# Altium PCB 电解模块主控板_V1.1_ZM_20211015.PcbDoc (part 3 of 4) (continued)
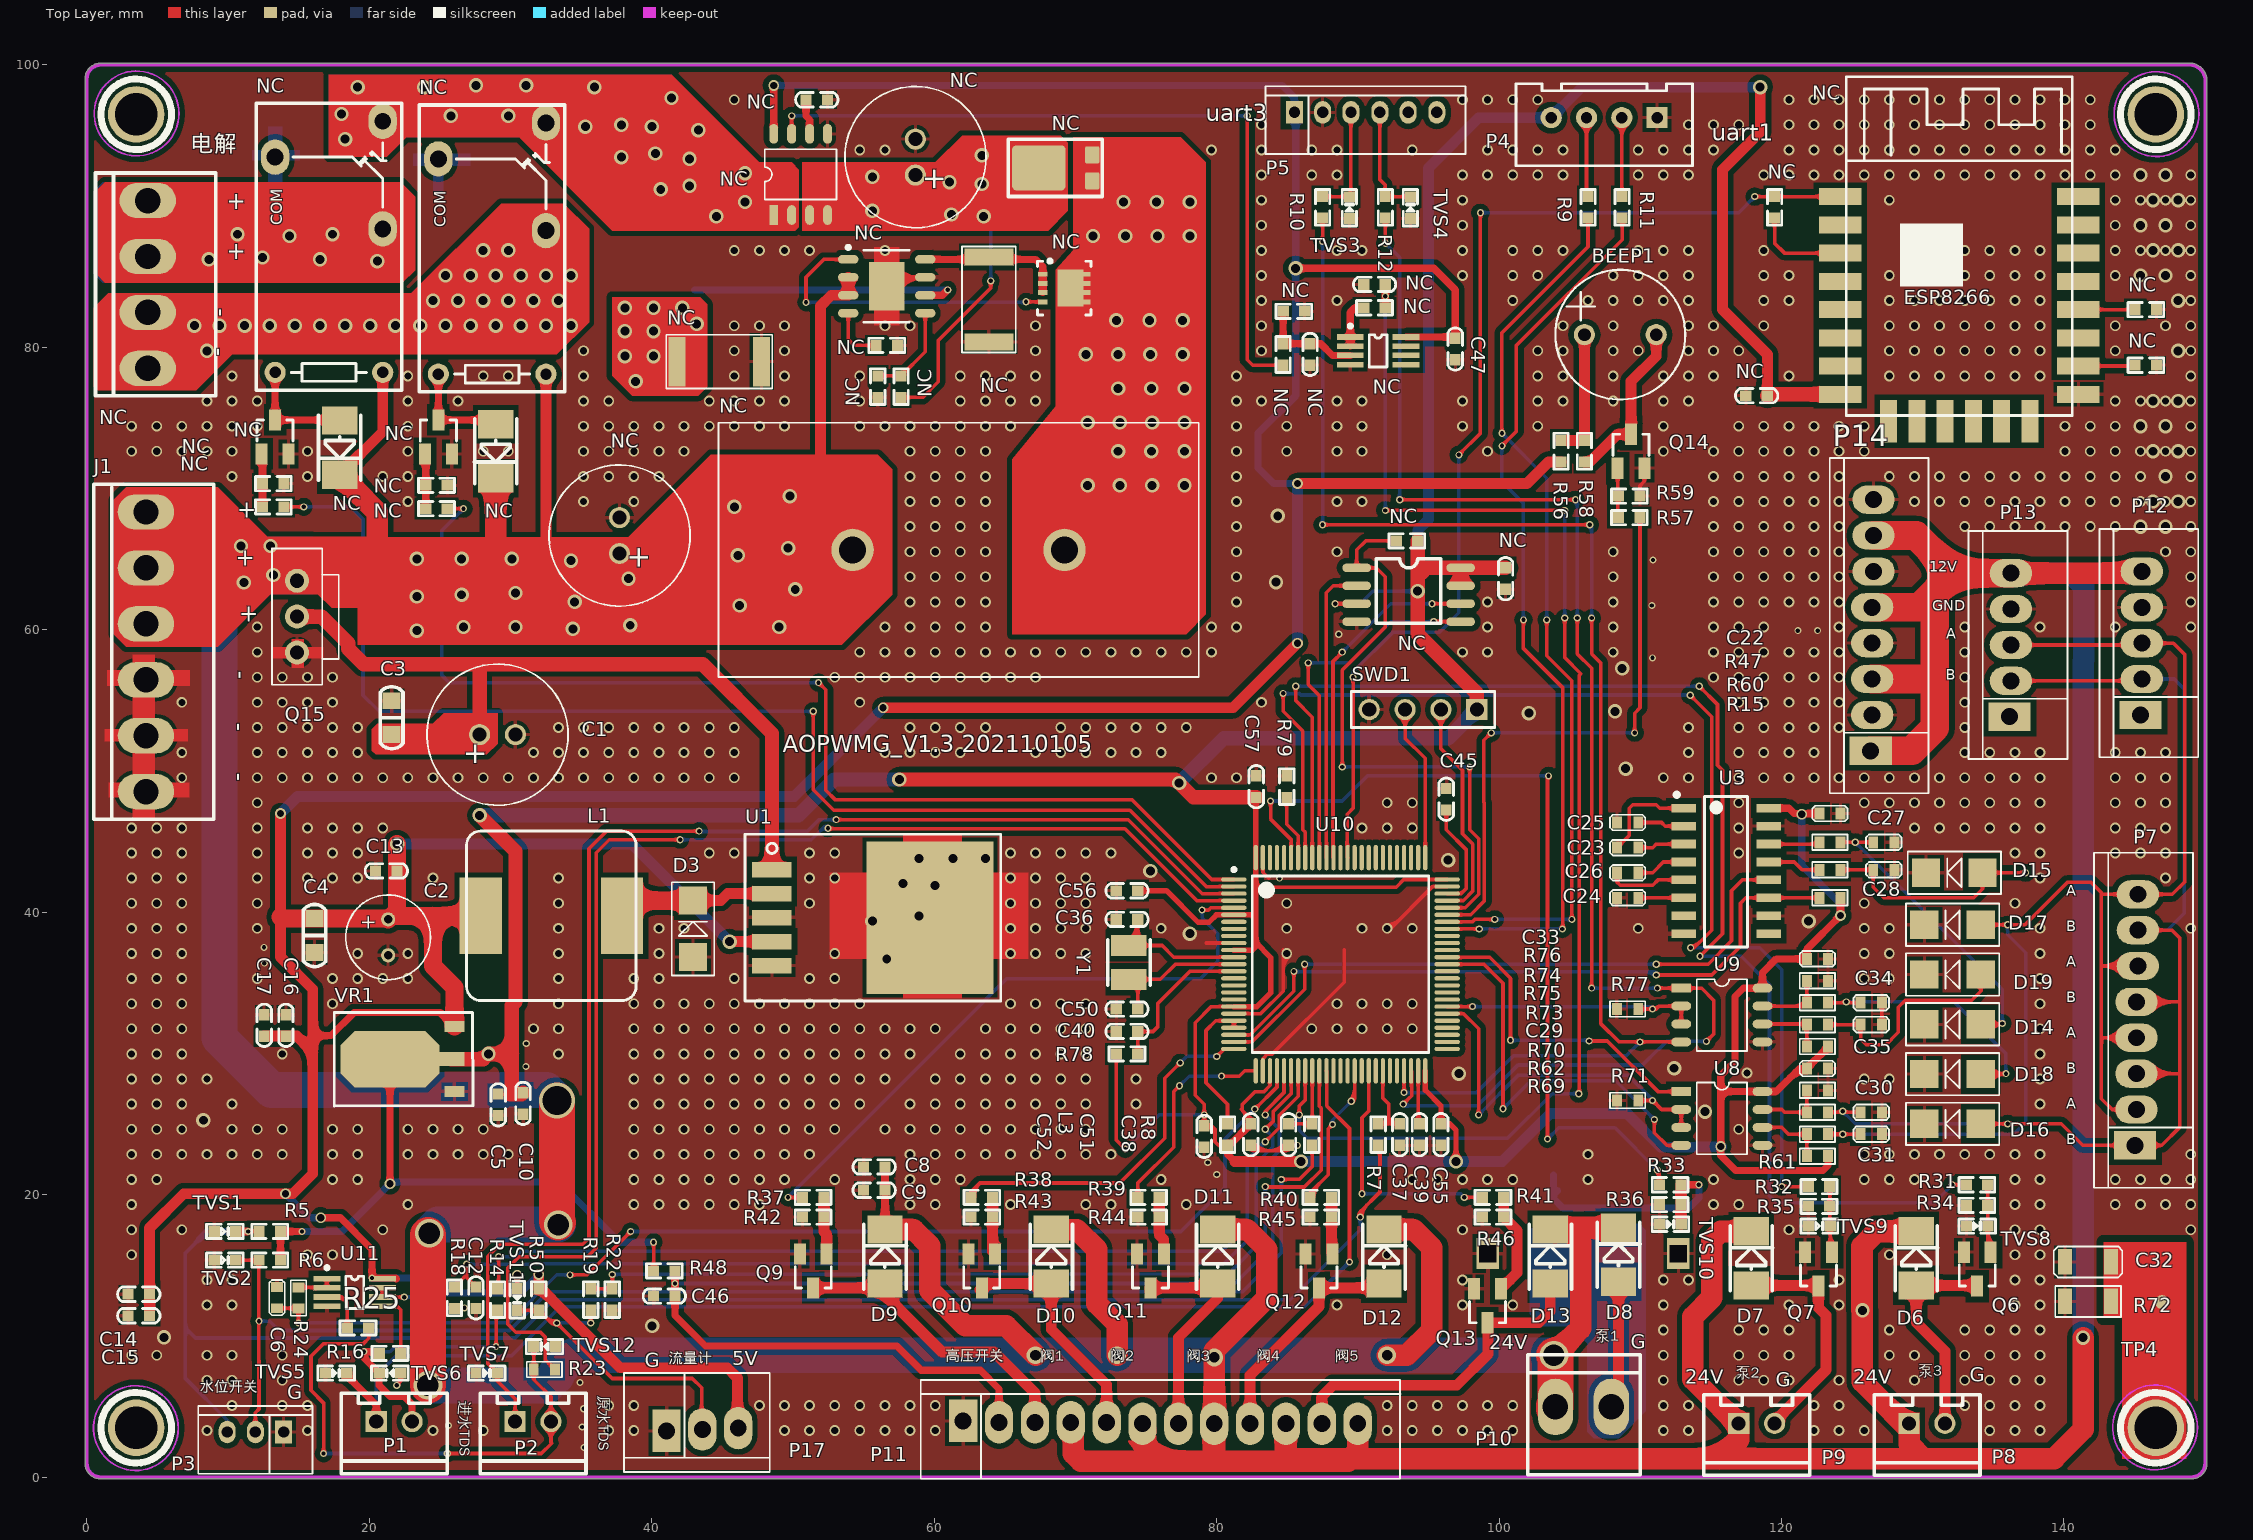
[diagram p0: Top Layer view]
## Nets (pads, with @x,y where several pads share a name; then routed paths per layer and width w, separated by ;. In a path a pad name is that pad's centre, name@x,y a point inside that pad or via, vN(x,y) a via of type N, cw(c..) or ccw(c..) an arc to the next point about the centre after c; other vN are vias at no path point) (continued)
NetR31_2: R31.2 U10.92 | length 101.9
  Top Layer w0.254: v3@85.508,55.917 cw(c85.291,55.7) 85.598,55.7 cw(c85.905,55.7) v3@85.688,55.917 ; v3(85.598,56.007) 85.598,54.991 86.773,53.816 U10.92@86.773,43.872 ; v3@114.173,55.88 cw(c114.173,55.573) 114.39,55.79 cw(c114.607,56.007) v3@114.3,56.007 ; v3(114.173,56.007) 115.468,54.712 115.468,50.419 115.824,50.063 115.824,38.481 v3(114.224,36.881) ; v3@114.224,37.008 ccw(c114.224,37.314) 114.441,37.098 ccw(c114.657,36.881) v3@114.351,36.881 ; v3(132.08,20.701) R31.2@133.071,20.701 ; v3@132.17,20.611 cw(c132.387,20.394) 132.387,20.701 cw(c132.387,21.008) v3@132.17,20.791 ; R31.2@132.872,20.521 ccw(c132.438,20.088) 132.438,20.701 ccw(c132.438,21.314) R31.2@132.872,20.881
  Bottom Layer w0.254: v3(85.598,56.007) v3(114.173,56.007) ; v3@85.688,55.917 cw(c85.905,55.7) 85.905,56.007 cw(c85.905,56.314) v3@85.688,56.097 ; v3@114.083,55.917 ccw(c113.866,55.7) 113.866,56.007 ccw(c113.866,56.314) v3@114.083,56.097 ; v3(114.224,36.881) 117.145,36.881 119.151,34.874 119.151,19.914 119.634,19.431 130.81,19.431 v3(132.08,20.701) ; v3@114.314,36.791 cw(c114.53,36.574) 114.53,36.881 cw(c114.53,37.187) v3@114.314,36.971 ; v3@131.953,20.701 cw(c131.646,20.701) 131.863,20.484 cw(c132.08,20.267) v3@132.08,20.574
NetR32_2: R32.2 U10.93 | length 89.7
  Top Layer w0.254: v3@84.619,55.409 cw(c84.402,55.192) 84.709,55.192 cw(c85.016,55.192) v3@84.799,55.409 ; v3(84.709,55.499) 84.709,54.229 86.106,52.832 86.106,45.847 86.273,45.68 U10.93@86.273,43.872 ; v3@113.538,55.245 cw(c113.538,54.938) 113.755,55.155 cw(c113.972,55.372) v3@113.665,55.372 ; v3(113.538,55.372) 115.062,53.848 115.062,38.735 113.817,37.49 v3(113.563,37.49) ; v3@113.563,37.617 ccw(c113.563,38.537) 114.214,37.887 ; v3(120.015,20.574) R32.2@121.895,20.574 ; v3@120.105,20.484 cw(c120.322,20.267) 120.322,20.574 cw(c120.322,20.881) v3@120.105,20.664 ; R32.2@121.696,20.394 ccw(c121.262,19.961) 121.262,20.574 ccw(c121.262,21.187) R32.2@121.696,20.754
  Bottom Layer w0.254: v3(84.709,55.499) 84.734,55.474 85.819,55.474 85.844,55.499 85.958,55.385 113.525,55.385 v3(113.538,55.372) ; v3@84.799,55.589 ccw(c85.077,55.867) 85.077,55.474 ; 113.199,55.385 cw(c113.199,55.033) v3@113.448,55.282 ; 113.264,55.385 ccw(c113.264,55.646) v3@113.448,55.462 ; v3(113.563,37.49) 118.466,37.49 120.015,35.941 v3(120.015,20.574) ; v3@113.653,37.401 cw(c113.87,37.184) 113.87,37.49 cw(c113.87,37.797) v3@113.653,37.58 ; v3@119.925,20.664 ccw(c119.708,20.881) 120.015,20.881 ccw(c120.322,20.881) v3@120.105,20.664
NetR33_2: R33.2 U10.95 | length 66.4
  Top Layer w0.254: v3@83.73,47.789 cw(c83.513,47.572) 83.82,47.572 cw(c84.127,47.572) v3@83.91,47.789 ; v3(83.82,47.879) 83.82,46.609 85.273,45.156 U10.95@85.273,43.872 ; v3@103.339,24.042 ccw(c103.122,24.259) 103.429,24.259 ccw(c103.735,24.259) v3@103.519,24.042 ; v3(103.429,23.952) 103.429,49.581 v3(103.505,49.657) ; 103.429,49.166 cw(c103.996,49.166) v3@103.595,49.567 ; v3@111.111,21.653 cw(c110.527,21.068) R33.2@111.354,21.068 ; R33.2@111.174,20.881 ccw(c110.74,21.314) 111.354,21.314 ccw(c111.967,21.314) R33.2@111.533,20.881 ; v3@111.185,21.616 cw(c111.16,21.424) 111.354,21.424 ; v3@111.201,21.615 111.354,21.463 R33.2@111.354,20.701
  Bottom Layer w0.254: v3(83.82,47.879) 88.9,47.879 90.678,49.657 v3(103.505,49.657) ; v3@83.91,47.789 cw(c84.127,47.572) 84.127,47.879 cw(c84.127,48.186) v3@83.91,47.969 ; v3@103.415,49.567 ccw(c103.198,49.35) 103.198,49.657 ccw(c103.198,49.964) v3@103.415,49.747 ; v3(103.429,23.952) 104.216,24.74 108.204,24.74 v3(111.201,21.742) ; v3@103.429,24.079 ccw(c103.429,24.386) 103.646,24.169 ccw(c103.862,23.952) v3@103.556,23.952 ; v3@111.074,21.742 ccw(c110.768,21.742) 110.984,21.959 ccw(c111.201,22.176) v3@111.201,21.869 ; v3@111.125,21.666 v3@111.201,21.59
NetR37_2: R37.2 U10.5 | length 47.7
  Top Layer w0.254: v3(49.657,19.812) R37.2@50.673,19.812 ; v3@49.747,19.722 cw(c49.964,19.505) 49.964,19.812 cw(c49.964,20.119) v3@49.747,19.902 ; R37.2@50.474,19.632 ccw(c50.041,19.199) 50.041,19.812 ccw(c50.041,20.425) R37.2@50.474,19.992 ; v3(78.969,40.157) 79.419,40.157 79.584,40.322 U10.5@81.223,40.322 ; v3@79.058,40.068 cw(c79.275,39.851) 79.275,40.157 cw(c79.275,40.464) v3@79.058,40.247
  Bottom Layer w0.254: v3(49.657,19.812) 65.151,35.306 78.867,35.306 80.086,36.525 80.086,38.481 78.969,39.599 v3(78.969,40.157) ; v3@49.657,19.939 ccw(c49.657,20.246) 49.874,20.029 ccw(c50.091,19.812) v3@49.784,19.812 ; v3@78.879,40.068 cw(c78.662,39.851) 78.969,39.851 cw(c79.275,39.851) v3@79.058,40.068
NetR38_2: R38.2 U10.25 | length 29.6
  Top Layer w0.254: R38.2@62.611,19.812 62.611,20.193 63.246,20.828 ; R38.2@62.63,19.812 cw(c63.422,19.88) 62.86,20.442 ; R38.2@62.883,19.834 cw(c64.133,19.941) 63.246,20.828 ; v3@77.292,29.337 cw(c76.986,29.337) 77.202,29.12 cw(c77.419,28.903) v3@77.419,29.21 ; v3(77.419,29.337) 76.327,28.245 76.327,24.003 73.152,20.828 63.246,20.828 ; v3(80.01,29.794) 80.538,30.322 U10.25@81.223,30.322 ; v3@80.01,29.921 ccw(c80.01,30.228) 80.227,30.011 ccw(c80.444,29.794) v3@80.137,29.794 ; 80.388,30.172 ccw(c80.238,30.322) U10.25@80.45,30.322
  Bottom Layer w0.254: v3(77.419,29.337) 77.876,29.794 v3(80.01,29.794) ; v3@77.419,29.464 ccw(c77.419,29.771) 77.636,29.554 ccw(c77.853,29.337) v3@77.546,29.337 ; v3@79.92,29.704 ccw(c79.703,29.488) 79.703,29.794 ccw(c79.703,30.101) v3@79.92,29.884
NetR39_2: R39.2 U10.26 | length 17.9
  Top Layer w0.254: R39.2@74.242,19.992 ccw(c73.809,20.425) 74.422,20.425 ccw(c75.035,20.425) R39.2@74.602,19.992 ; R39.2@74.422,19.812 74.422,20.828 76.962,23.368 76.962,27.305 v3(77.368,27.711) ; v3@77.241,27.711 cw(c76.935,27.711) 77.152,27.495 cw(c77.368,27.278) v3@77.368,27.584 ; v3(80.34,28.397) 81.61,28.397 81.985,28.772 U10.26@82.773,28.772 ; v3@80.43,28.307 cw(c80.647,28.091) 80.647,28.397 cw(c80.647,28.704) v3@80.43,28.487
  Bottom Layer w0.254: v3(77.368,27.711) 78.054,28.397 v3(80.34,28.397) ; v3@77.368,27.838 ccw(c77.368,28.145) 77.585,27.928 ccw(c77.802,27.711) v3@77.495,27.711 ; v3@80.25,28.307 ccw(c80.034,28.091) 80.034,28.397 ccw(c80.034,28.704) v3@80.25,28.487
NetR40_2: R40.2 U10.40 | length 14.7
  Top Layer w0.254: R40.2@86.614,19.812 86.614,20.117 87.909,21.412 87.909,24.679 v3(88.199,24.968) ; R40.2@86.633,19.812 cw(c87.415,19.812) 86.862,20.365 ; R40.2@86.887,19.812 cw(c88.282,19.812) 87.296,20.798 ; v3@88.072,24.968 cw(c87.765,24.968) 87.982,24.751 cw(c88.199,24.535) v3@88.199,24.841 ; v3@89.445,26.709 ccw(c88.654,27.5) 89.773,27.5 ; v3(89.535,26.619) 89.773,26.857 U10.40@89.773,28.772 ; v3@89.625,26.529 ccw(c89.267,26.887) 89.773,26.887
  Bottom Layer w0.254: v3@88.109,25.058 ccw(c87.892,25.275) 88.199,25.275 ccw(c88.506,25.275) v3@88.289,25.058 ; v3(88.199,24.968) 88.199,25.283 v3(89.535,26.619) ; v3@89.408,26.619 cw(c89.101,26.619) 89.318,26.402 cw(c89.535,26.186) v3@89.535,26.492
NetR41_2: R41.2 U10.42 | length 19.9
  Top Layer w0.254: v3@90.207,20.156 ccw(c89.99,20.373) 90.297,20.373 ccw(c90.604,20.373) v3@90.387,20.156 ; v3(90.297,20.066) 90.297,25.451 90.773,25.927 U10.42@90.773,28.772 ; v3(97.536,19.812) R41.2@98.806,19.812 ; v3@97.626,19.722 cw(c97.843,19.505) 97.843,19.812 cw(c97.843,20.119) v3@97.626,19.902 ; R41.2@98.607,19.632 ccw(c98.174,19.199) 98.174,19.812 ccw(c98.174,20.425) R41.2@98.607,19.992
  Bottom Layer w0.254: v3(90.297,20.066) 97.282,20.066 v3(97.536,19.812) ; v3@90.387,19.976 cw(c90.604,19.759) 90.604,20.066 cw(c90.604,20.373) v3@90.387,20.156
NetR47_1: R47.1 U3.14 | length 5.2
  Top Layer w0.254: U3.14@119.091,44.831 122.555,44.831 R47.1@122.682,44.958 ; U3.14@119.775,44.705 cw(c120.079,44.402) 120.079,44.831 cw(c120.079,45.26) U3.14@119.775,44.957 ; 122.018,44.831 ccw(c122.018,45.547) R47.1@122.524,45.041 ; 122.269,44.831 cw(c122.269,44.47) R47.1@122.524,44.725
NetR57_1: R57.1 U10.70 | length 43.6
  Top Layer w0.254: U10.70@96.323,39.822 97.988,39.822 98.958,40.792 98.958,47.752 98.908,47.803 98.908,52.172 v3(99.441,52.705) ; v3@99.314,52.705 cw(c99.007,52.705) 99.224,52.488 cw(c99.441,52.271) v3@99.441,52.578 ; v3@109.511,52.795 ccw(c109.294,53.012) 109.601,53.012 ccw(c109.908,53.012) v3@109.691,52.795 ; v3(109.601,52.705) 109.601,54.102 109.982,54.483 R57.1@109.982,67.945 ; R57.1@109.802,67.765 cw(c109.369,67.332) 109.982,67.332 cw(c110.595,67.332) R57.1@110.162,67.765
  Bottom Layer w0.254: v3(99.441,52.705) v3(109.601,52.705) ; v3@99.531,52.615 cw(c99.748,52.398) 99.748,52.705 cw(c99.748,53.012) v3@99.531,52.795 ; v3@109.511,52.615 ccw(c109.294,52.398) 109.294,52.705 ccw(c109.294,53.012) v3@109.511,52.795
NetR60_1: R60.1 U3.13 | length 5.3
  Top Layer w0.254: U3.13@119.091,43.561 120.904,43.561 121.454,43.011 R60.1@122.682,43.011 ; U3.13@119.775,43.435 cw(c120.079,43.132) 120.079,43.561 cw(c120.079,43.99) U3.13@119.775,43.687 ; R60.1@122.524,42.853 ccw(c122.144,42.472) 122.144,43.011 ccw(c122.144,43.549) R60.1@122.524,43.168
NetR61_1: R61.1 R69.1 U8.6 | length 8.2
  Top Layer w0.254: U8.6@118.653,24.765 120.015,24.765 120.495,24.285 R69.1@121.793,24.285 R61.1@121.793,22.733 ; U8.6@119.169,24.63 cw(c119.494,24.305) 119.494,24.765 cw(c119.494,25.225) U8.6@119.169,24.9 ; R61.1@121.635,22.966 ccw(c121.255,23.346) 121.793,23.346 ccw(c122.331,23.346) R61.1@121.951,22.966 ; R69.1@121.635,24.053 cw(c121.255,23.672) 121.793,23.672 cw(c122.331,23.672) R69.1@121.951,24.053 ; R69.1@121.635,24.128 ccw(c121.255,23.747) 121.255,24.285 ccw(c121.255,24.824) R69.1@121.635,24.443
NetR62_1: R62.1 R70.1 U8.7 | length 8
  Top Layer w0.254: U8.7@118.653,26.035 120.015,26.035 120.213,25.837 R62.1@121.793,25.837 R70.1@121.793,27.39 ; U8.7@119.169,25.9 cw(c119.494,25.575) 119.494,26.035 cw(c119.494,26.495) U8.7@119.169,26.17 ; R62.1@121.635,25.68 ccw(c121.255,25.299) 121.255,25.837 ccw(c121.255,26.376) R62.1@121.635,25.995 ; R62.1@121.635,26.07 ccw(c121.255,26.451) 121.793,26.451 ccw(c122.331,26.451) R62.1@121.951,26.07 ; R70.1@121.635,27.157 cw(c121.255,26.776) 121.793,26.776 cw(c122.331,26.776) R70.1@121.951,27.157
NetR73_1: R73.1 R75.1 U9.6 | length 8
  Top Layer w0.254: U9.6@118.653,32.089 121.75,32.089 R75.1@121.793,32.046 R73.1@121.793,30.494 ; U9.6@119.169,31.954 cw(c119.494,31.629) 119.494,32.089 cw(c119.494,32.549) U9.6@119.169,32.224 ; 121.176,32.089 ccw(c121.176,32.738) R75.1@121.635,32.279 ; 121.333,32.089 cw(c121.333,31.661) R75.1@121.635,31.964 ; R73.1@121.635,30.727 ccw(c121.255,31.107) 121.793,31.107 ccw(c122.331,31.107) R73.1@121.951,30.727 ; R75.1@121.635,31.814 cw(c121.255,31.433) 121.793,31.433 cw(c122.331,31.433) R75.1@121.951,31.814
NetR74_1: R74.1 R76.1 U9.7 | length 8.5
  Top Layer w0.254: U9.7@118.653,33.359 121.553,33.359 R74.1@121.793,33.599 R76.1@121.793,35.151 ; U9.7@119.169,33.224 cw(c119.494,32.899) 119.494,33.359 cw(c119.494,33.819) U9.7@119.169,33.494 ; 120.857,33.359 ccw(c120.857,34.459) R74.1@121.635,33.681 ; R74.1@121.47,33.359 ccw(c121.47,33.846) R74.1@121.815,33.502 ; R74.1@121.635,33.831 ccw(c121.255,34.212) 121.793,34.212 ccw(c122.331,34.212) R74.1@121.951,33.831 ; R76.1@121.635,34.918 cw(c121.255,34.537) 121.793,34.537 cw(c122.331,34.537) R76.1@121.951,34.918
NetR79_2: R79.2 U10.94 | length 5.6
  Top Layer w0.254: R79.2@84.783,47.934 cw(c84.35,47.501) 84.963,47.501 cw(c85.576,47.501) R79.2@85.143,47.934 ; R79.2@84.963,48.133 84.963,46.228 85.773,45.418 U10.94@85.773,43.872
NetU10_38: U10.38
NetU10_39: U10.39
NetU10_41: U10.41
NetU10_43: U10.43
NetU10_45: U10.45
NetU10_46: U10.46
NetU10_51: U10.51
NetU10_52: U10.52
NetU10_53: U10.53
NetU10_54: U10.54
NetU10_58: U10.58
NetU10_59: U10.59
NetU10_61: U10.61
NetU10_62: U10.62
NetU10_65: U10.65
NetU10_66: U10.66
NetU10_78: U10.78
NetU10_79: U10.79
NetU10_80: U10.80
NetU10_81: U10.81
NetU10_82: U10.82
NetU10_83: U10.83
NetU10_85: U10.85
NetU10_86: U10.86
NetU10_88: U10.88
RCS: NC.1@41.783,78.994 NC.3@13.335,93.472 NC.3@24.892,93.345 NC.6@59.367,83.693 | length 19.7
  Top Layer w0.508: NC.6@59.367,83.693 60.579,83.693 v3(60.96,84.074)
  Bottom Layer w0.508: 43.053,84.074 v3(60.96,84.074)
  other v2: 38.862,77.597 38.1,79.375 40.132,79.375 38.1,81.153 40.132,81.153 43.18,81.661 38.1,82.804 40.132,82.804 42.164,82.804
RXD1_485: U8.1 U10.64 | length 25.7
  Top Layer w0.254: U10.64@96.323,36.822 96.34,36.805 99.339,36.805 100.838,35.306 100.813,35.281 v3(100.813,30.937) ; v3@100.723,31.027 ccw(c100.506,31.244) 100.813,31.244 ccw(c101.119,31.244) v3@100.902,31.027 ; v3(106.375,30.886) 107.671,30.886 111.252,27.305 U8.1@112.903,27.305 ; v3@106.465,30.797 cw(c106.682,30.58) 106.682,30.886 cw(c106.682,31.193) v3@106.465,30.976 ; U8.1@112.387,27.17 ccw(c112.062,26.845) 112.062,27.305 ccw(c112.062,27.765) U8.1@112.387,27.44
  Bottom Layer w0.254: v3(100.813,30.937) 106.324,30.937 v3(106.375,30.886) ; v3@100.902,30.847 cw(c101.119,30.631) 101.119,30.937 cw(c101.119,31.244) v3@100.902,31.027 ; 105.946,30.937 cw(c105.946,30.457) v3@106.285,30.797
RXD2_485: R12.2 U9.1 U10.48 | length 116.3
  Top Layer w0.254: R12.2@91.768,88.955 cw(c91.335,88.522) 91.948,88.522 cw(c92.561,88.522) R12.2@92.128,88.955 ; v3@91.858,87.466 ccw(c91.641,87.683) 91.948,87.683 ccw(c92.255,87.683) v3@92.038,87.466 ; v3(91.948,87.376) R12.2@91.948,89.154 ; v3(92.964,69.215) v3(105.41,69.215) ; v3@93.054,69.125 cw(c93.271,68.908) 93.271,69.215 cw(c93.271,69.522) v3@93.054,69.305 ; v3(93.218,26.416) 93.662,26.86 93.662,26.868 93.806,27.012 93.806,28.739 U10.48@93.773,28.772 ; v3@93.218,26.543 ccw(c93.218,26.85) 93.435,26.633 ccw(c93.652,26.416) v3@93.345,26.416 ; v3@105.32,69.125 ccw(c105.103,68.908) 105.103,69.215 ccw(c105.103,69.522) v3@105.32,69.305 ; v3@105.447,60.743 cw(c105.23,60.526) 105.537,60.526 cw(c105.844,60.526) v3@105.627,60.743 ; v3(105.537,60.833) 105.537,58.293 106.553,57.277 v3(106.553,34.629) ; v3@106.463,34.719 ccw(c106.246,34.936) 106.553,34.936 ccw(c106.86,34.936) v3@106.643,34.719 ; v3(111.21,34.629) U9.1@112.903,34.629 114.342,34.629 115.189,33.782 115.189,31.369 v3(114.681,30.861) ; v3@111.3,34.539 cw(c111.517,34.322) 111.517,34.629 cw(c111.517,34.936) v3@111.3,34.719 ; U9.1@112.387,34.494 ccw(c112.062,34.169) 112.062,34.629 ccw(c112.062,35.089) U9.1@112.387,34.764 ; U9.1@113.419,34.494 cw(c113.744,34.169) 113.744,34.629 cw(c113.744,35.089) U9.1@113.419,34.764 ; v3@114.681,30.988 ccw(c114.681,31.295) 114.898,31.078 ccw(c115.115,30.861) v3@114.808,30.861
  Bottom Layer w0.254: v3@91.948,87.249 cw(c91.948,86.942) 92.165,87.159 cw(c92.382,87.376) v3@92.075,87.376 ; v3(91.948,87.376) 92.964,86.36 v3(92.964,69.215) ; v3@92.874,69.305 ccw(c92.657,69.522) 92.964,69.522 ccw(c93.271,69.522) v3@93.054,69.305 ; v3(93.218,26.416) 93.345,26.289 98.45,26.289 101.346,29.185 110.16,29.185 111.303,30.328 ; v3@93.308,26.506 ccw(c93.831,27.029) 93.831,26.289 ; v3@105.32,69.125 cw(c104.797,68.602) 105.537,68.602 ; v3(105.41,69.215) 105.537,69.088 v3(105.537,60.833) ; v3@105.447,60.923 ccw(c105.23,61.14) 105.537,61.14 ccw(c105.844,61.14) v3@105.627,60.923 ; v3(106.553,34.629) v3(111.21,34.629) ; v3@106.643,34.539 cw(c106.86,34.322) 106.86,34.629 cw(c106.86,34.936) v3@106.643,34.719 ; v3@111.12,34.539 ccw(c110.903,34.322) 110.903,34.629 ccw(c110.903,34.936) v3@111.12,34.719 ; 111.328,30.302 111.887,30.861 v3(114.681,30.861) ; v3@114.591,30.771 ccw(c114.374,30.554) 114.374,30.861 ccw(c114.374,31.168) v3@114.591,30.951
RXD_233: U3.12 U10.24 | length 48.5
  Top Layer w0.254: U10.24@81.223,30.822 82.511,30.822 86.233,34.544 v3(86.233,36.322) ; v3@86.143,36.232 cw(c85.926,36.015) 86.233,36.015 cw(c86.54,36.015) v3@86.323,36.232 ; v3(111.125,36.322) 114.808,36.322 116.459,37.973 116.459,41.529 117.221,42.291 U3.12@119.091,42.291 ; v3@111.215,36.232 cw(c111.432,36.015) 111.432,36.322 cw(c111.432,36.629) v3@111.215,36.412 ; U3.12@118.406,42.165 ccw(c118.103,41.862) 118.103,42.291 ccw(c118.103,42.72) U3.12@118.406,42.417
  Bottom Layer w0.254: v3(86.233,36.322) v3(111.125,36.322) v3@111.252,36.322 ; v3@86.323,36.232 cw(c86.54,36.015) 86.54,36.322 cw(c86.54,36.629) v3@86.323,36.412 ; v3@111.035,36.232 ccw(c110.818,36.015) 110.818,36.322 ccw(c110.818,36.629) v3@111.035,36.412
SWCLK: SWD1.3 U10.76 | length 11.1
  Top Layer w0.254: SWD1.3@93.345,54.356 93.345,52.324 94.773,50.896 U10.76@94.773,43.872
SWDIO: SWD1.2 U10.72 | length 15.9
  Top Layer w0.254: SWD1.2@95.885,54.356 95.885,51.57 97.409,50.046 97.409,45.568 98.146,44.831 98.146,41.504 97.464,40.822 U10.72@96.323,40.822
TXD1_485: U8.4 U10.63 | length 32
  Top Layer w0.254: U10.63@96.323,36.322 98.933,36.322 100.279,34.976 v3(100.279,26.086) ; v3@100.189,26.176 ccw(c99.973,26.392) 100.279,26.392 ccw(c100.586,26.392) v3@100.369,26.176 ; v3@110.908,25.234 cw(c110.691,25.017) 110.998,25.017 cw(c111.305,25.017) v3@111.088,25.234 ; v3@110.998,25.349 v3(110.998,25.324) 110.998,24.384 111.887,23.495 U8.4@112.903,23.495 ; U8.4@112.387,23.36 ccw(c112.062,23.035) 112.062,23.495 ccw(c112.062,23.955) U8.4@112.387,23.63
  Bottom Layer w0.254: v3(100.279,26.086) 102.26,28.067 108.255,28.067 v3(110.998,25.324) v3@111.049,25.273 ; v3@100.279,26.213 ccw(c100.279,26.519) 100.496,26.303 ccw(c100.713,26.086) v3@100.406,26.086 ; v3@110.871,25.324 ccw(c110.564,25.324) 110.781,25.541 ccw(c110.998,25.757) v3@110.998,25.451
TXD2_485: R10.2 U9.4 U10.47 | length 110.3
  Top Layer w0.254: R10.2@87.323,88.955 cw(c86.89,88.522) 87.503,88.522 cw(c88.116,88.522) R10.2@87.683,88.955 ; v3@87.413,87.593 ccw(c87.196,87.81) 87.503,87.81 ccw(c87.81,87.81) v3@87.593,87.593 ; v3(87.503,67.437) v3(106.426,67.437) ; v3(87.503,87.503) R10.2@87.503,89.154 ; v3@87.593,67.347 cw(c87.81,67.13) 87.81,67.437 cw(c87.81,67.744) v3@87.593,67.527 ; v3@93.183,27.323 ccw(c92.966,27.54) 93.273,27.54 ccw(c93.58,27.54) v3@93.363,27.323 ; v3(93.273,27.233) U10.47@93.273,28.772 ; v3@106.336,67.347 ccw(c106.119,67.13) 106.119,67.437 ccw(c106.119,67.744) v3@106.336,67.527 ; v3@106.463,60.743 cw(c106.246,60.526) 106.553,60.526 cw(c106.86,60.526) v3@106.643,60.743 ; v3(106.553,60.833) 106.553,58.293 107.188,57.658 107.188,32.131 108.5,30.819 v3(109.982,30.819) U9.4@112.903,30.819 ; v3@109.892,30.729 ccw(c109.675,30.512) 109.675,30.819 ccw(c109.675,31.126) v3@109.892,30.909 ; v3@110.072,30.729 cw(c110.289,30.512) 110.289,30.819 cw(c110.289,31.126) v3@110.072,30.909 ; U9.4@112.387,30.684 ccw(c112.062,30.359) 112.062,30.819 ccw(c112.062,31.279) U9.4@112.387,30.954
  Bottom Layer w0.254: v3@87.413,67.527 ccw(c87.196,67.744) 87.503,67.744 ccw(c87.81,67.744) v3@87.593,67.527 ; v3@87.413,87.413 cw(c87.196,87.196) 87.503,87.196 cw(c87.81,87.196) v3@87.593,87.413 ; v3(87.503,67.437) v3(87.503,87.503) ; v3(93.273,27.233) 98.404,27.233 101.016,29.845 109.017,29.845 v3@110.007,30.836 ; v3@93.363,27.143 cw(c93.58,26.926) 93.58,27.233 cw(c93.58,27.54) v3@93.363,27.323 ; v3@106.336,67.347 cw(c105.813,66.824) 106.553,66.824 ; v3(106.426,67.437) 106.553,67.31 v3(106.553,60.833) ; v3@106.463,60.923 ccw(c106.246,61.14) 106.553,61.14 ccw(c106.86,61.14) v3@106.643,60.923 ; 109.759,30.587 ccw(c109.527,30.819) v3@109.855,30.819 ; 109.78,30.608 cw(c109.982,30.406) v3@109.982,30.692
TXD_232: R15.2 U3.11 U10.23 | length 53
  Top Layer w0.254: U10.23@81.223,31.322 82.376,31.322 85.471,34.417 v3(85.471,35.814) ; v3@85.381,35.724 cw(c85.164,35.507) 85.471,35.507 cw(c85.778,35.507) v3@85.561,35.724 ; v3(111.125,35.56) 115.062,35.56 117.094,37.592 117.094,40.64 117.475,41.021 U3.11@119.091,41.021 R15.2@122.682,41.021 ; v3@111.215,35.47 cw(c111.432,35.253) 111.432,35.56 cw(c111.432,35.867) v3@111.215,35.65 ; U3.11@118.406,40.895 ccw(c118.103,40.592) 118.103,41.021 ccw(c118.103,41.45) U3.11@118.406,41.147 ; U3.11@119.775,40.895 cw(c120.079,40.592) 120.079,41.021 cw(c120.079,41.45) U3.11@119.775,41.147 ; R15.2@122.524,40.863 ccw(c122.144,40.483) 122.144,41.021 ccw(c122.144,41.559) R15.2@122.524,41.179
  Bottom Layer w0.254: v3(85.471,35.814) 85.496,35.789 110.896,35.789 v3(111.125,35.56) ; v3@85.561,35.904 ccw(c85.839,36.182) 85.839,35.789 ; 110.267,35.789 cw(c110.267,34.702) v3@111.035,35.47 ; 110.88,35.789 cw(c110.88,35.315) v3@111.215,35.65
V5.0: C2.1 C4.2 C13.2 C14.2 C15.2 C16.2 C17.2 C47.2 L1.2 NC.8@48.641,95.123 NC.8@93.415,80.731 P5.1 P17.3 R50.1 R56.2 U1.4 U11.8 VR1.3 | length 372.6
  Top Layer w0.508: 16.002,31.267 17.297,31.267 18.923,32.893 25.047,32.893 VR1.3@26.035,31.905 ; v1(16.561,18.364) 17.958,18.364 20.193,16.129 v3(20.193,14.097) 21.873,14.097 21.914,14.056 ; 25.274,32.666 cw(c24.512,31.905) VR1.3@25.589,31.905 ; NC.8@48.641,95.123 v1(48.641,98.552) ; v2(85.598,85.598) 95.377,85.598 96.901,84.074 C47.2@96.901,80.645 96.815,80.731 NC.8@93.415,80.731 ; v2@85.778,85.418 cw(c86.211,84.985) 86.211,85.598 cw(c86.211,86.211) v2@85.778,85.778 ; 96.433,80.731 cw(c96.433,80.196) C47.2@96.811,80.574
  Top Layer w0.762: C15.2@4.445,11.43 C14.2@4.445,12.954 4.445,17.653 6.858,20.066 v1(14.072,20.066) 14.58,20.066 16.002,21.488 16.002,30.099 ; C17.2@12.56,31.242 14.859,31.242 16.002,30.099 ; v1(13.716,46.99) 13.716,39.675 13.716,36.83 16.002,34.544 16.002,31.267 16.002,30.099 ; v1(32.004,14.351) R50.1@32.004,13.335 32.16,13.335 37.748,7.747 45.343,7.747 46.076,7.015 P17.3@46.076,3.991 ; v2(45.515,37.924) U1.4@48.514,37.924 ; v1(56.388,54.483) 81.153,54.483 v1(85.725,59.055) ; v1(85.725,70.358) 101.981,70.358 103.505,71.882 R56.2@104.394,71.882
  Top Layer w1.27: 13.716,39.675 13.837,39.554 C4.2@16.129,39.554 21.279,39.554 C2.1@21.336,39.497 C2.1@21.59,39.751 ; v2(21.971,44.831) C13.2@21.971,42.926 21.971,40.132 C2.1@21.59,39.751 ; VR1.3@26.035,31.905 26.035,34.671 24.511,36.195 24.511,39.751 ; L1.2@27.281,39.139 ccw(c25.805,37.663) 25.805,39.751 ccw(c25.805,41.839) L1.2@27.281,40.363 ; L1.2@27.893,39.751 24.511,39.751 ; C2.1@21.59,39.751 24.511,39.751
  Bottom Layer w0.508: v1(14.072,20.066) 15.773,18.364 v1(16.561,18.364) ; v3(20.193,14.097) 23.901,14.097 24.968,13.03 30.683,13.03 v1(32.004,14.351) ; v2(45.515,37.924) v2@45.564,37.973 ; v1(48.641,98.552) 84.642,98.552 85.511,97.683 P5.1@85.511,96.641 85.598,96.553 v2(85.598,85.598) 85.598,76.581 82.931,73.914 82.931,71.476 84.049,70.358 v1(85.725,70.358) ; 85.191,98.003 cw(c84.029,96.841) P5.1@85.673,96.841 ; P5.1@85.266,96.196 cw(c84.464,95.394) 85.598,95.394 ; P5.1@85.266,97.085 ccw(c84.675,97.676) 85.511,97.676 ccw(c86.346,97.676) P5.1@85.755,97.085 ; v2@85.418,85.418 cw(c84.985,84.985) 85.598,84.985 cw(c86.211,84.985) v2@85.778,85.418 ; v2@85.418,85.778 ccw(c84.985,86.211) 85.598,86.211 ccw(c86.211,86.211) v2@85.778,85.778 ; 85.598,95.816 cw(c86.135,95.816) P5.1@85.755,96.196
  Bottom Layer w0.762: v1(13.716,46.99) 14.922,48.197 50.102,48.197 v1(56.388,54.483) ; v2(21.971,44.831) 38.608,44.831 v2(45.515,37.924) ; v1(85.725,59.055) v1(85.725,70.358)
VDD12V: C8.2 C9.2 D6.2 D7.2 D8.2 D9.2 D10.2 D11.2 D12.2 D13.2 J1.4 J1.5 J1.6 NC.1@37.719,65.405 NC.1@54.229,65.659 NC.2@17.907,70.983 NC.2@28.956,70.729 NC.2@53.917,84.963 NC.3@53.917,83.693 NC.5@20.955,78.232 NC.5@32.512,78.105 P8.1 P9.1 P10.1 P11.4 P11.6 P11.8 P11.10 P11.12 P12.5 P13.5 P14.1 P14.3 P14.5 P14.7 Q15.3 | length 551.6
  Top Layer w0.508: D9.2@56.515,17.536 C9.2@56.515,20.32 C8.2@56.515,21.971
  Top Layer w0.762: NC.2@17.907,70.983 20.955,74.031 NC.5@20.955,78.232 ; NC.5@20.694,77.971 cw(c20.064,77.341) 20.955,77.341 cw(c21.846,77.341) NC.5@21.216,77.971 ; NC.5@32.251,77.844 cw(c31.621,77.214) 32.512,77.214 cw(c33.403,77.214) NC.5@32.773,77.844 ; 32.512,66.167 NC.5@32.512,78.105 ; 52.197,71.628 51.943,71.882 51.943,82.931 52.705,83.693 NC.3@53.917,83.693 NC.2@53.917,84.963
  Top Layer w1.524: NC.2@17.907,70.983 20.574,68.316 20.574,66.04 ; NC.2@18.395,70.983 ccw(c19.573,70.983) NC.2@18.74,70.15 ; 28.956,66.167 NC.2@28.956,70.729 ; v4(33.376,17.882) v4@33.376,18.034 ; D9.2@56.515,17.536 58.537,17.536 59.69,16.383 59.69,13.233 62.192,10.731 65.087,10.731 v5(67.183,8.636) ; D10.2@68.294,17.536 70.094,17.536 71.501,16.129 71.501,12.294 72.949,10.846 v5(72.949,8.636) ; P11.4@69.504,3.22 cw(c68.668,2.384) 69.85,2.384 ; P11.4@69.672,3.888 69.85,3.71 69.85,1.676 70.383,1.143 75.971,1.143 ; P11.6@74.752,3.788 74.752,2.362 75.971,1.143 ; P11.6@74.987,3.248 ccw(c76.833,2.931) 75.509,1.606 ; v5@79.832,8.966 P11.8@79.832,3.788 79.832,1.219 79.908,1.143 ; v5(79.833,8.484) 79.833,8.967 83.566,12.7 83.566,16.129 82.159,17.536 D11.2@80.073,17.536 ; P11.10@84.912,3.788 84.912,1.295 89.459,1.295 ; P11.12@89.992,3.788 89.992,1.829 89.459,1.295 ; D12.2@91.853,17.536 93.97,17.536 95.25,16.256 95.25,10.414 93.472,8.636 v5(92.075,8.636) ; v4(103.886,8.636) 105.796,10.546 105.796,16.632 104.892,17.536 D13.2@103.632,17.536 103.759,17.663 D8.2@108.458,17.663 ; D13.2@103.973,17.316 cw(c104.471,16.105) 105.397,17.031 ; D7.2@117.856,17.409 115.707,17.409 115.062,16.764 115.062,12.7 113.728,11.367 113.728,6.947 116.865,3.81 P9.1@116.967,3.81 116.967,2.667 115.595,1.295 ; v2@125.698,11.811 125.698,16.351 126.756,17.409 D6.2@129.54,17.409 ; v2(125.73,11.811) 125.73,6.751 128.671,3.81 P8.1@129.032,3.81 129.032,2.337 130.048,1.321 131.42,1.321 ; P13.5@136.244,64.008 145.388,64.008 P12.5@145.515,64.135 ; v2(141.351,9.881) 141.351,3.378 139.294,1.321 131.42,1.321 ; 75.971,1.143 79.908,1.143 ; 79.908,1.143 89.306,1.143 89.459,1.295 ; 89.459,1.295 115.595,1.295 ; 115.595,1.295 131.394,1.295 131.42,1.321
  Top Layer w2.032: P14.1@126.316,51.435 129.235,51.435 130.861,53.061 130.861,56.769 ; P14.3@126.416,56.515 130.607,56.515 130.861,56.769 ; P14.5@126.416,61.595 129.794,61.595 130.861,62.662 ; P14.7@126.516,66.675 129.54,66.675 132.207,64.008 ; P13.5@136.244,64.008 132.207,64.008 ; 130.861,56.769 130.861,62.662 ; 130.861,62.662 132.207,64.008
  Top Layer w2.54: v4(24.155,6.502) v4@24.155,17.17 ; v6(33.299,26.67) 33.299,18.11 v4@33.376,18.034 ; P10.1@103.886,4.826 103.886,5.082 P10.1@103.99,4.978 103.99,8.532 v4(103.886,8.636)
  Bottom Layer w1.524: P13.5@136.244,64.008 140.487,64.008 141.402,63.094 141.402,57.836 141.351,57.785 v2(141.351,9.881)
  Bottom Layer w2.54: 9.398,62.509 9.398,31.09 13.081,27.407 32.563,27.407 v6(33.299,26.67) ; v4(24.155,6.502) 32.582,6.502 33.249,7.169 33.249,7.4 34.485,8.636 v5(67.183,8.636) v5(72.949,8.636) v4(103.886,8.636) ; v4(24.257,17.272) 24.867,17.882 v4(33.376,17.882)
  other v2: 23.368,59.944 34.417,60.071 26.67,60.198 30.353,60.198 49.022,60.198 38.481,60.325 46.228,61.722 34.544,61.976 23.368,62.357 26.543,62.484 30.353,62.611 50.165,62.865 11.125,63.348 38.354,63.627 13.208,63.881 34.29,64.897 23.368,65.024 26.543,65.024 30.099,65.024 46.101,65.278 49.657,65.786 10.922,65.938 13.005,65.938 45.847,68.707 49.784,69.469
VDD12V1: C1.1 C3.2 Q15.2 U1.1 | length 52
  Top Layer w1.016: Q15.2@14.884,60.935 16.637,60.935 18.517,59.055 18.517,58.654 19.615,57.556 27.61,57.556 ; C1.1@27.813,52.578 27.813,57.353 27.61,57.556 ; U1.1@48.514,43.024 48.514,52.654 43.612,57.556 27.61,57.556
VDD_ELE: NC.1@57.658,76.454 NC.1@58.674,92.202 NC.2@67.412,92.71 NC.3@51.181,89.373 NC.4@52.451,89.373 | length 18.5
  Top Layer w0.254: NC.1@57.658,76.454 59.182,76.454 60.3,77.572 60.3,80.493 64.008,84.201 v3(64.008,84.709) ; NC.1@57.838,76.274 cw(c58.271,75.841) 58.271,76.454 cw(c58.271,77.067) NC.1@57.838,76.634 ; v3@63.918,84.619 cw(c63.701,84.402) 64.008,84.402 cw(c64.315,84.402) v3@64.098,84.619
  Bottom Layer w0.254: v2(63.5,89.281) 64.008,88.773 v3(64.008,84.709) ; v3@63.918,84.799 ccw(c63.701,85.016) 64.008,85.016 ccw(c64.315,85.016) v3@64.098,84.799
  other v2: 61.214,89.408 55.626,89.662 63.373,91.567 61.087,91.694 55.626,92.075 63.373,93.599
VO+: NC.1@48.641,89.373 NC.2@20.955,96.012 NC.2@32.512,95.885 NC.2@49.911,89.373
  other v2: 44.577,89.281 46.609,90.297 40.64,91.186 42.672,91.44 46.609,92.329 42.672,93.345 37.846,93.472 40.259,93.726 18.288,94.742 43.307,95.377 35.306,95.631 40.005,95.631 37.846,95.758 25.781,96.393 29.845,96.393 18.034,96.52 41.402,97.663 19.177,98.425 23.876,98.425 35.941,98.425 27.559,98.552 31.115,98.552
pads on no net: NC.2@124.155,88.678 NC.4@124.155,84.678 NC.5@93.415,78.781 NC.5@124.155,82.678 NC.6@93.415,79.431 NC.6@124.155,80.678 NC.7@93.415,80.081 NC.7@124.155,78.678 NC.9@127.584,74.778 NC.10 NC.11 NC.12 NC.13 NC.14 NC.17 NC.19 NC.20 P5.5 P5.6 P12.1 P13.1 U3.7 U3.9 U10.7 U10.8 U10.9 U10.15 U10.16 U10.17 U10.18 U10.37 U10.55 U10.60 U10.67 U10.77 U10.84 U10.96 U10.97 U10.98